# Allegro board 8880F5-0825_4.brd (continued)
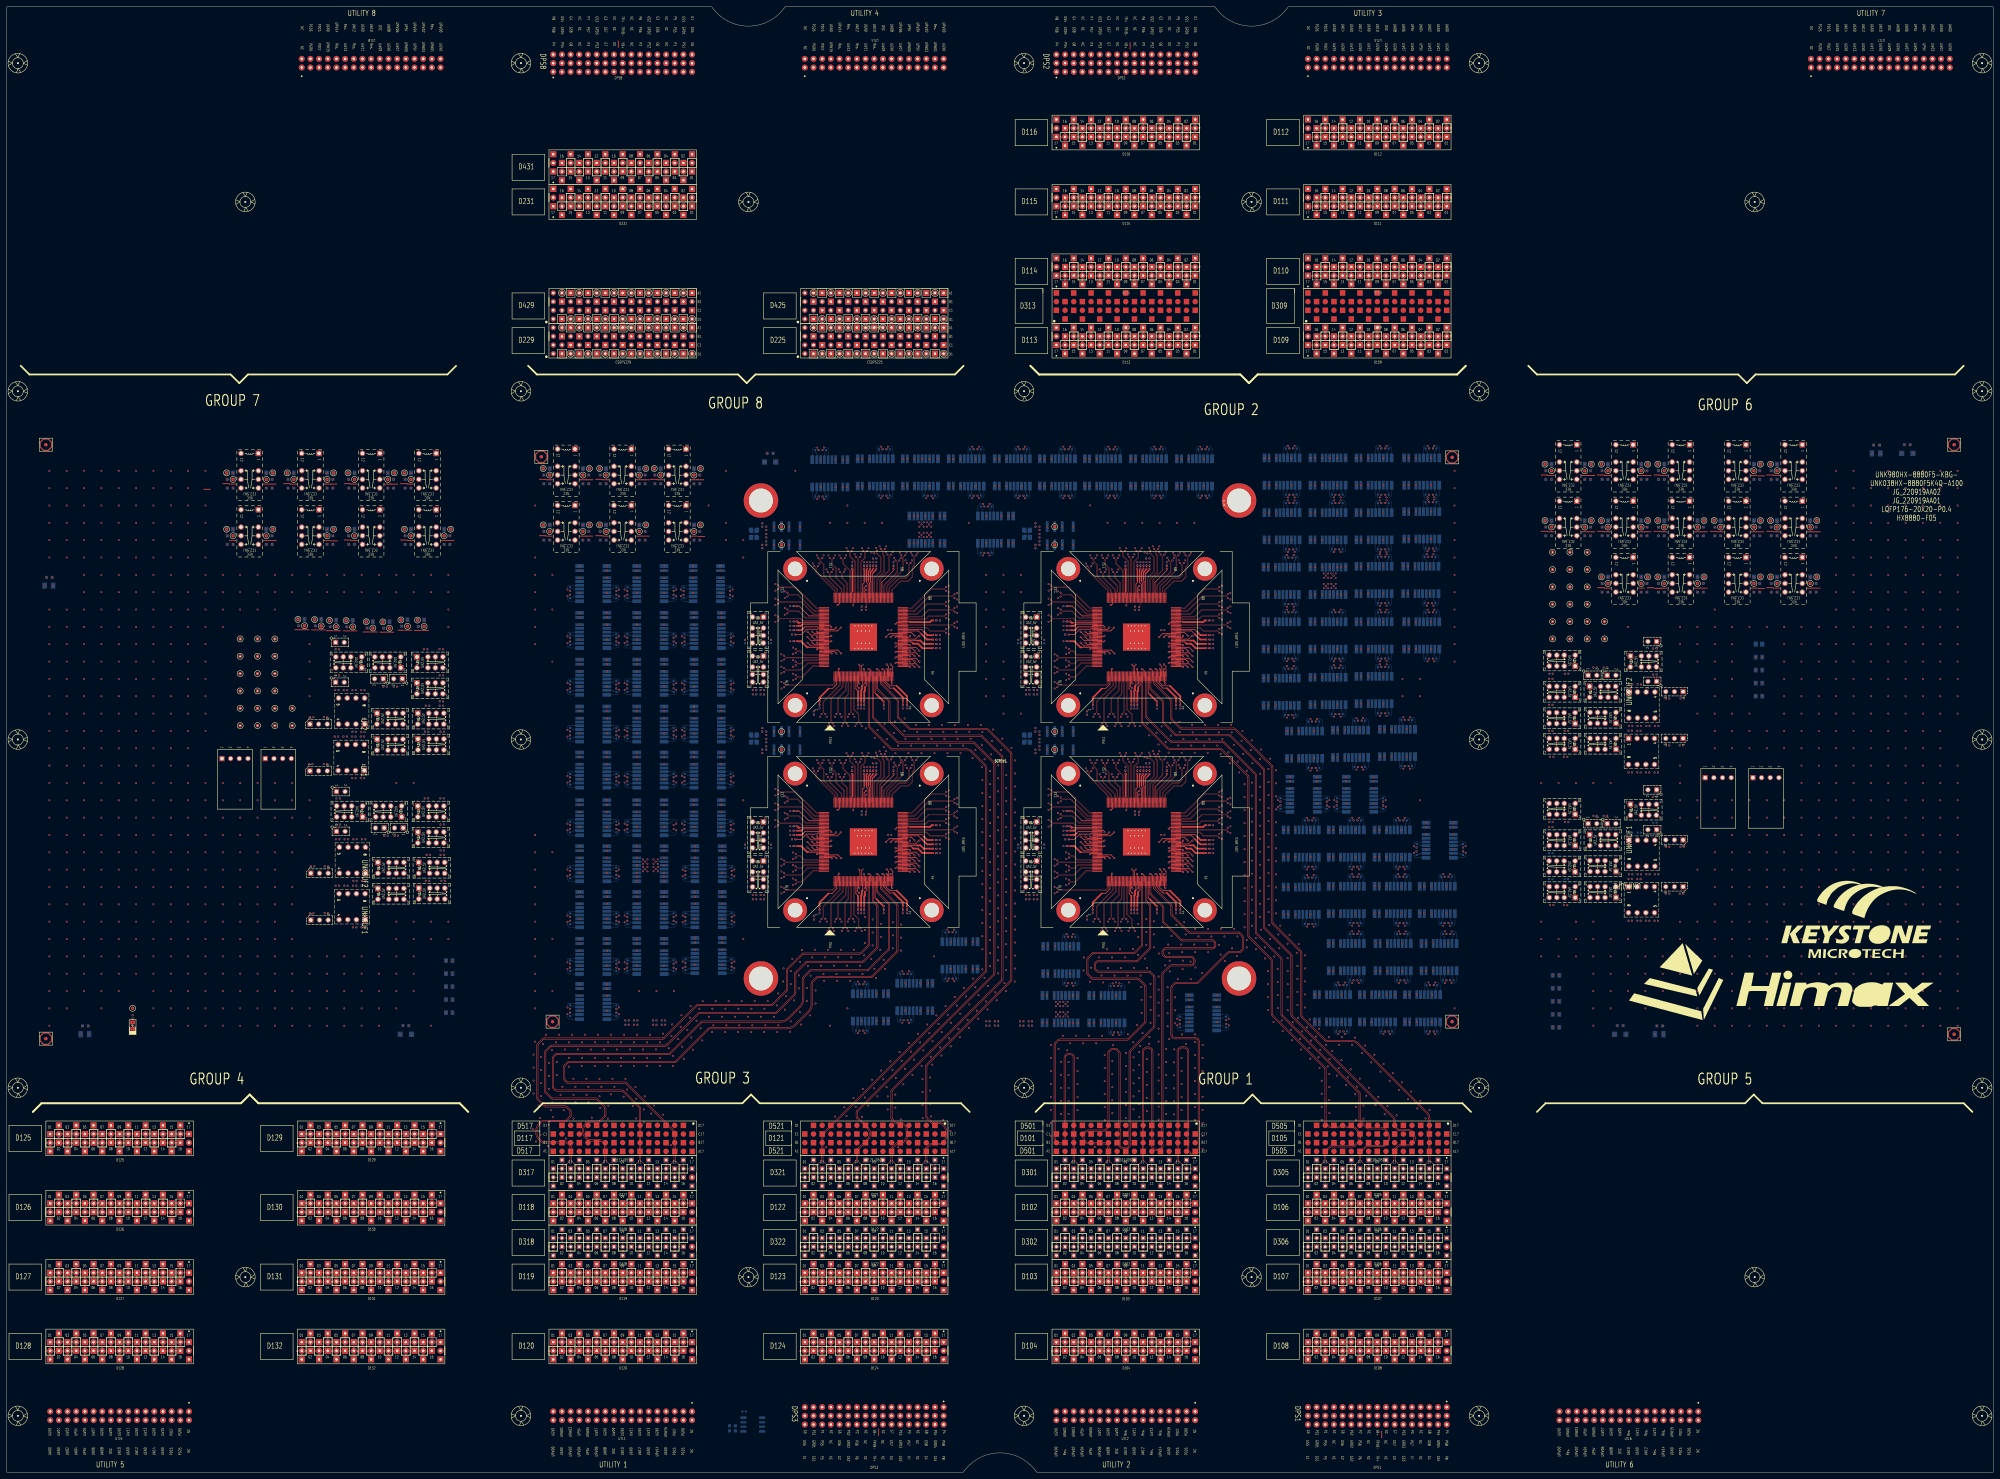
[diagram p0: board, top side]
## Routing (per net, layer and track width the routed paths; a pad name or vN(x,y) marks a point on that pad's centre or on a via; arc(x,y) is an arc through that point) (continued)
; 166.93,71.12 D318.B4 ; D318.B4 167.64,70.41 ; D318.B4 167.64,71.83 ; D318.B4 168.35,71.12 ; 199.85,381 D431.B1 ; D431.B1 201.47,381 ; D431.B1 200.66,381.81 ; D431.B1 200.66,380.19 ; D431.B10 178.61,378.46 ; D431.B10 176.99,378.46 ; D431.B10 177.8,377.65 ; D431.B10 177.8,379.27 ; 235.41,60.96 D123.B2 ; D123.B2 236.22,60.15 ; D123.B2 237.03,60.96 ; D123.B2 236.22,61.77 ; 176.99,342.9 CSDPS429.B10 ; CSDPS429.B10 177.8,342.09 ; CSDPS429.B10 178.61,342.9 ; CSDPS429.B10 177.8,343.71 ; 410.67,375.92 D111.A5 ; D111.A5 412.29,375.92 ; D111.A5 411.48,375.11 ; D111.A5 411.48,376.73 ; D110.B1 422.45,350.52 ; D110.B1 421.64,351.33 ; D110.B1 420.83,350.52 ; D110.B1 421.64,349.71 ; D108.A14 414.83,35.56 ; D108.A14 414.02,34.75 ; D108.A14 414.02,36.37 ; D108.A14 413.21,35.56 ; 381,32.21 D108.A1 ; D108.A1 381.81,33.02 ; D108.A1 380.19,33.02 ; D108.A1 381,33.83 ; D124.B3 238.76,38.91 ; D124.B3 238.76,37.29 ; D124.B3 239.57,38.1 ; D124.B3 237.95,38.1 ; 49.99,81.28 D126.B16 ; D126.B16 50.8,80.47 ; D126.B16 50.8,82.09 ; D126.B16 51.61,81.28 ; 331.93,58.42 D103.B11 ; D103.B11 333.55,58.42 ; D103.B11 332.74,59.23 ; D103.B11 332.74,57.61 ; 339.55,393.7 D116.A4 ; D116.A4 340.36,394.51 ; D116.A4 340.36,392.89 ; D116.A4 341.17,393.7 ; D301.A8 325.83,86.36 ; D301.A8 325.12,87.07 ; D301.A8 324.41,86.36 ; D301.A8 325.12,85.65 ; 160.02,370.03 D231.B17 ; D231.B17 160.83,370.84 ; D231.B17 159.21,370.84 ; D231.B17 160.02,371.65 ; 263.45,68.58 D322.B13 ; D322.B13 264.16,67.87 ; D322.B13 264.87,68.58 ; D322.B13 264.16,69.29 ; 250.23,242.35 SITE1.G14 ; SITE1.G14 249.75,242.83 ; SITE1.G14 250.23,243.31 ; SITE1.G14 250.71,242.83 ; SITE1.G3 250.81,241.33 ; SITE1.G3 249.85,241.33 ; SITE1.G3 250.33,241.81 ; SITE1.G3 250.33,240.85 ; 332.74,375.11 D115.A7 ; D115.A7 333.55,375.92 ; D115.A7 332.74,376.73 ; D115.A7 331.93,375.92 ; 110.95,58.42 D131.B11 ; D131.B11 111.76,59.23 ; D131.B11 111.76,57.61 ; D131.B11 112.57,58.42 ; D126.B12 40.64,82.09 ; D126.B12 41.45,81.28 ; D126.B12 40.64,80.47 ; D126.B12 39.83,81.28 ; 27.94,37.29 D128.B7 ; D128.B7 28.75,38.1 ; D128.B7 27.13,38.1 ; D128.B7 27.94,38.91 ; D111.B7 407.21,370.84 ; D111.B7 406.4,370.03 ; D111.B7 406.4,371.65 ; D111.B7 405.59,370.84 ; D122.B7 248.92,79.55 ; D122.B7 248.11,78.74 ; D122.B7 248.92,77.93 ; D122.B7 249.73,78.74 ; 415.85,83.82 D305.A15 ; D305.A15 416.56,84.53 ; D305.A15 416.56,83.11 ; D305.A15 417.27,83.82 ; 165.1,62.79 D318.A3 ; D318.A3 165.1,64.21 ; D318.A3 165.81,63.5 ; D318.A3 164.39,63.5 ; 334.47,55.88 D103.A12 ; D103.A12 335.28,55.07 ; D103.A12 335.28,56.69 ; D103.A12 336.09,55.88 ; 176.99,60.96 D119.B8 ; D119.B8 178.61,60.96 ; D119.B8 177.8,61.77 ; D119.B8 177.8,60.15 ; 418.29,388.62 D112.B2 ; D112.B2 419.91,388.62 ; D112.B2 419.1,389.43 ; D112.B2 419.1,387.81 ; 319.23,60.96 D103.B6 ; D103.B6 320.85,60.96 ; D103.B6 320.04,61.77 ; D103.B6 320.04,60.15 ; D113.A1 348.79,335.28 ; D113.A1 347.98,336.09 ; D113.A1 347.17,335.28 ; D113.A1 347.98,334.47 ; D231.A3 195.58,376.73 ; D231.A3 194.77,375.92 ; D231.A3 196.39,375.92 ; D231.A3 195.58,375.11 ; D109.A15 386.08,336.09 ; D109.A15 385.27,335.28 ; D109.A15 386.89,335.28 ; D109.A15 386.08,334.47 ; D110.A11 396.24,356.41 ; D110.A11 396.24,354.79 ; D110.A11 397.05,355.6 ; D110.A11 395.43,355.6 ; D116.A2 345.44,394.51 ; D116.A2 346.25,393.7 ; D116.A2 345.44,392.89 ; D116.A2 344.63,393.7 ; D305.B10 403.86,92.15 ; D305.B10 403.86,90.73 ; D305.B10 404.57,91.44 ; D305.B10 403.15,91.44 ; SITE4.G12 333.33,188.41 ; SITE4.G12 332.85,187.93 ; SITE4.G12 333.33,187.45 ; SITE4.G12 333.81,187.93 ; D128.A13 43.99,33.02 ; D128.A13 43.18,32.21 ; D128.A13 42.37,33.02 ; D128.A13 43.18,33.83 ; 85.55,99.06 D129.B1 ; D129.B1 86.36,99.87 ; D129.B1 87.17,99.06 ; D129.B1 86.36,98.25 ; D116.A9 328.47,396.24 ; D116.A9 326.85,396.24 ; D116.A9 327.66,395.43 ; D116.A9 327.66,397.05 ; 416.56,18.24 DPS1.C15 ; DPS1.C15 415.75,19.05 ; DPS1.C15 416.56,19.86 ; DPS1.C15 417.37,19.05 ; 410.77,88.9 D305.B13 ; D305.B13 411.48,88.19 ; D305.B13 412.19,88.9 ; D305.B13 411.48,89.61 ; D103.B10 331.01,60.96 ; D103.B10 330.2,61.77 ; D103.B10 329.39,60.96 ; D103.B10 330.2,60.15 ; D124.B14 267.51,40.64 ; D124.B14 266.7,41.45 ; D124.B14 266.7,39.83 ; D124.B14 265.89,40.64 ; D110.A2 419.91,353.06 ; D110.A2 419.1,352.25 ; D110.A2 419.1,353.87 ; D110.A2 418.29,353.06 ; D318.A7 175.26,64.21 ; D318.A7 175.97,63.5 ; D318.A7 175.26,62.79 ; D318.A7 174.55,63.5 ; 15.24,60.15 D127.B2 ; D127.B2 14.43,60.96 ; D127.B2 16.05,60.96 ; D127.B2 15.24,61.77 ; 344.63,60.96 D103.B16 ; D103.B16 345.44,60.15 ; D103.B16 345.44,61.77 ; D103.B16 346.25,60.96 ; 391.16,88.19 D305.B5 ; D305.B5 391.16,89.61 ; D305.B5 391.87,88.9 ; D305.B5 390.45,88.9 ; 405.69,68.58 D306.B11 ; D306.B11 407.11,68.58 ; D306.B11 406.4,67.87 ; D306.B11 406.4,69.29 ; D302.A12 335.28,66.75 ; D302.A12 335.99,66.04 ; D302.A12 335.28,65.33 ; D302.A12 334.57,66.04 ; 390.35,375.92 D111.A13 ; D111.A13 391.97,375.92 ; D111.A13 391.16,376.73 ; D111.A13 391.16,375.11 ; 22.86,57.61 D127.B5 ; D127.B5 22.86,59.23 ; D127.B5 23.67,58.42 ; D127.B5 22.05,58.42 ; D112.A16 383.54,394.51 ; D112.A16 383.54,392.89 ; D112.A16 382.73,393.7 ; D112.A16 384.35,393.7 ; 271.07,66.04 D322.A16 ; D322.A16 271.78,66.75 ; D322.A16 272.49,66.04 ; D322.A16 271.78,65.33 ; D131.A8 104.14,56.69 ; D131.A8 104.95,55.88 ; D131.A8 103.33,55.88 ; D131.A8 104.14,55.07 ; 179.53,375.92 D231.A9 ; D231.A9 180.34,376.73 ; D231.A9 181.15,375.92 ; D231.A9 180.34,375.11 ; 264.16,329.39 CSDPS225.C5 ; CSDPS225.C5 263.35,330.2 ; CSDPS225.C5 264.16,331.01 ; CSDPS225.C5 264.97,330.2 ; 421.64,329.39 D109.B1 ; D109.B1 420.83,330.2 ; D109.B1 422.45,330.2 ; D109.B1 421.64,331.01 ; D301.B8 325.83,91.44 ; D301.B8 325.12,90.73 ; D301.B8 325.12,92.15 ; D301.B8 324.41,91.44 ; D112.A3 416.56,397.05 ; D112.A3 416.56,395.43 ; D112.A3 417.37,396.24 ; D112.A3 415.75,396.24 ; D106.A8 398.78,77.01 ; D106.A8 399.59,76.2 ; D106.A8 397.97,76.2 ; D106.A8 398.78,75.39 ; D130.A10 109.22,77.01 ; D130.A10 108.41,76.2 ; D130.A10 110.03,76.2 ; D130.A10 109.22,75.39 ; D104.A3 312.42,33.83 ; D104.A3 312.42,32.21 ; D104.A3 313.23,33.02 ; D104.A3 311.61,33.02 ; D132.B1 86.36,38.91 ; D132.B1 85.55,38.1 ; D132.B1 86.36,37.29 ; D132.B1 87.17,38.1 ; 309.07,368.3 D115.B16 ; D115.B16 310.69,368.3 ; D115.B16 309.88,369.11 ; D115.B16 309.88,367.49 ; D112.B9 402.13,391.16 ; D112.B9 401.32,391.97 ; D112.B9 401.32,390.35 ; D112.B9 400.51,391.16 ; 390.35,73.66 D106.A5 ; D106.A5 391.16,72.85 ; D106.A5 391.97,73.66 ; D106.A5 391.16,74.47 ; D321.B14 267.41,91.44 ; D321.B14 266.7,90.73 ; D321.B14 266.7,92.15 ; D321.B14 265.99,91.44 ; 170.18,52.53 D119.A5 ; D119.A5 170.18,54.15 ; D119.A5 169.37,53.34 ; D119.A5 170.99,53.34 ; D109.B16 383.54,328.47 ; D109.B16 383.54,326.85 ; D109.B16 384.35,327.66 ; D109.B16 382.73,327.66 ; D306.A13 412.19,63.5 ; D306.A13 411.48,64.21 ; D306.A13 410.77,63.5 ; D306.A13 411.48,62.79 ; D321.B5 244.55,88.9 ; D321.B5 243.13,88.9 ; D321.B5 243.84,89.61 ; D321.B5 243.84,88.19 ; 401.32,349.71 D110.B9 ; D110.B9 401.32,351.33 ; D110.B9 402.13,350.52 ; D110.B9 400.51,350.52 ; 232.87,38.1 D124.B1 ; D124.B1 233.68,37.29 ; D124.B1 234.49,38.1 ; D124.B1 233.68,38.91 ; D125.B4 20.32,102.41 ; D125.B4 21.13,101.6 ; D125.B4 20.32,100.79 ; D125.B4 19.51,101.6 ; D128.B5 23.67,38.1 ; D128.B5 22.86,38.91 ; D128.B5 22.86,37.29 ; D128.B5 22.05,38.1 ; DPS1.A11 406.4,14.78 ; DPS1.A11 407.21,13.97 ; DPS1.A11 405.59,13.97 ; DPS1.A11 406.4,13.16 ; 197.31,35.56 D120.A16 ; D120.A16 198.12,36.37 ; D120.A16 198.93,35.56 ; D120.A16 198.12,34.75 ; 182.88,372.57 D231.A8 ; D231.A8 182.88,374.19 ; D231.A8 182.07,373.38 ; D231.A8 183.69,373.38 ; D108.B6 393.7,41.45 ; D108.B6 394.51,40.64 ; D108.B6 392.89,40.64 ; D108.B6 393.7,39.83 ; 106.68,93.17 D129.A9 ; D129.A9 105.87,93.98 ; D129.A9 106.68,94.79 ; D129.A9 107.49,93.98 ; 179.53,340.36 CSDPS429.C9 ; CSDPS429.C9 180.34,339.55 ; CSDPS429.C9 181.15,340.36 ; CSDPS429.C9 180.34,341.17 ; 395.53,68.58 D306.B7 ; D306.B7 396.95,68.58 ; D306.B7 396.24,67.87 ; D306.B7 396.24,69.29 ; D302.B10 330.2,71.83 ; D302.B10 329.49,71.12 ; D302.B10 330.91,71.12 ; D302.B10 330.2,70.41 ; D125.B14 45.72,102.41 ; D125.B14 46.53,101.6 ; D125.B14 45.72,100.79 ; D125.B14 44.91,101.6 ; 326.85,38.1 D104.B9 ; D104.B9 328.47,38.1 ; D104.B9 327.66,38.91 ; D104.B9 327.66,37.29 ; S4_I2C.4 518.92,204.39 ; S4_I2C.4 518.92,202.51 ; S4_I2C.4 519.86,203.45 ; S4_I2C.4 517.98,203.45 ; 237.95,73.66 D122.A3 ; D122.A3 238.76,72.85 ; D122.A3 239.57,73.66 ; D122.A3 238.76,74.47 ; 15.24,39.83 D128.B2 ; D128.B2 15.24,41.45 ; D128.B2 14.43,40.64 ; D128.B2 16.05,40.64 ; D128.B4 21.13,40.64 ; D128.B4 20.32,41.45 ; D128.B4 19.51,40.64 ; D128.B4 20.32,39.83 ; D322.B9 254.71,68.58 ; D322.B9 254,69.29 ; D322.B9 254,67.87 ; D322.B9 253.29,68.58 ; 187.15,76.2 D118.A12 ; D118.A12 187.96,75.39 ; D118.A12 188.77,76.2 ; D118.A12 187.96,77.01 ; D112.A10 398.78,394.51 ; D112.A10 397.97,393.7 ; D112.A10 399.59,393.7 ; D112.A10 398.78,392.89 ; 27.94,98.25 D125.B7 ; D125.B7 28.75,99.06 ; D125.B7 27.13,99.06 ; D125.B7 27.94,99.87 ; D231.A17 160.02,376.73 ; D231.A17 160.02,375.11 ; D231.A17 160.83,375.92 ; D231.A17 159.21,375.92 ; D306.B8 399.49,71.12 ; D306.B8 398.78,70.41 ; D306.B8 398.78,71.83 ; D306.B8 398.07,71.12 ; D111.B3 416.56,371.65 ; D111.B3 417.37,370.84 ; D111.B3 416.56,370.03 ; D111.B3 415.75,370.84 ; 340.36,34.75 D104.A14 ; D104.A14 341.17,35.56 ; D104.A14 339.55,35.56 ; D104.A14 340.36,36.37 ; 418.29,40.64 D108.B16 ; D108.B16 419.1,41.45 ; D108.B16 419.1,39.83 ; D108.B16 419.91,40.64 ; 105.87,58.42 D131.B9 ; D131.B9 106.68,57.61 ; D131.B9 106.68,59.23 ; D131.B9 107.49,58.42 ; D118.A5 170.18,74.47 ; D118.A5 170.99,73.66 ; D118.A5 170.18,72.85 ; D118.A5 169.37,73.66 ; CSDPS425.C7 259.89,340.36 ; CSDPS425.C7 258.27,340.36 ; CSDPS425.C7 259.08,341.17 ; CSDPS425.C7 259.08,339.55 ; D103.B7 323.39,58.42 ; D103.B7 321.77,58.42 ; D103.B7 322.58,57.61 ; D103.B7 322.58,59.23 ; 273.51,340.36 CSDPS425.C1 ; CSDPS425.C1 274.32,341.17 ; CSDPS425.C1 275.13,340.36 ; CSDPS425.C1 274.32,339.55 ; 397.97,347.98 D110.B10 ; D110.B10 398.78,347.17 ; D110.B10 399.59,347.98 ; D110.B10 398.78,348.79 ; 306.63,63.5 D302.A1 ; D302.A1 307.34,64.21 ; D302.A1 307.34,62.79 ; D302.A1 308.05,63.5 ; 174.45,33.02 D120.A7 ; D120.A7 175.26,32.21 ; D120.A7 176.07,33.02 ; D120.A7 175.26,33.83 ; D302.A14 341.07,66.04 ; D302.A14 339.65,66.04 ; D302.A14 340.36,66.75 ; D302.A14 340.36,65.33 ; 193.04,39.83 D120.B14 ; D120.B14 192.23,40.64 ; D120.B14 193.04,41.45 ; D120.B14 193.85,40.64 ; 233.68,83.11 D321.A1 ; D321.A1 233.68,84.53 ; D321.A1 234.39,83.82 ; D321.A1 232.97,83.82 ; D104.B14 340.36,41.45 ; D104.B14 341.17,40.64 ; D104.B14 339.55,40.64 ; D104.B14 340.36,39.83 ; 14.43,76.2 D126.A2 ; D126.A2 16.05,76.2 ; D126.A2 15.24,77.01 ; D126.A2 15.24,75.39 ; D102.B10 330.2,82.09 ; D102.B10 329.39,81.28 ; D102.B10 330.2,80.47 ; D102.B10 331.01,81.28 ; 193.04,55.07 D119.A14 ; D119.A14 193.04,56.69 ; D119.A14 193.85,55.88 ; D119.A14 192.23,55.88 ; 340.36,367.49 D115.B4 ; D115.B4 340.36,369.11 ; D115.B4 339.55,368.3 ; D115.B4 341.17,368.3 ; 19.51,60.96 D127.B4 ; D127.B4 20.32,60.15 ; D127.B4 21.13,60.96 ; D127.B4 20.32,61.77 ; D129.A2 88.9,97.33 ; D129.A2 88.09,96.52 ; D129.A2 89.71,96.52 ; D129.A2 88.9,95.71 ; D131.A7 101.6,54.15 ; D131.A7 102.41,53.34 ; D131.A7 100.79,53.34 ; D131.A7 101.6,52.53 ; 22.05,33.02 D128.A5 ; D128.A5 22.86,32.21 ; D128.A5 23.67,33.02 ; D128.A5 22.86,33.83 ; D322.A4 241.3,66.75 ; D322.A4 242.01,66.04 ; D322.A4 240.59,66.04 ; D322.A4 241.3,65.33 ; D113.B13 317.5,331.01 ; D113.B13 316.69,330.2 ; D113.B13 317.5,329.39 ; D113.B13 318.31,330.2 ; 16.97,58.42 D127.B3 ; D127.B3 18.59,58.42 ; D127.B3 17.78,59.23 ; D127.B3 17.78,57.61 ; 386.08,37.29 D108.B3 ; D108.B3 385.27,38.1 ; D108.B3 386.08,38.91 ; D108.B3 386.89,38.1 ; D111.B1 422.45,370.84 ; D111.B1 421.64,371.65 ; D111.B1 420.83,370.84 ; D111.B1 421.64,370.03 ; D112.A8 404.67,393.7 ; D112.A8 403.05,393.7 ; D112.A8 403.86,392.89 ; D112.A8 403.86,394.51 ; 187.96,80.47 D118.B12 ; D118.B12 187.15,81.28 ; D118.B12 187.96,82.09 ; D118.B12 188.77,81.28 ; 391.16,52.53 D107.A5 ; D107.A5 390.35,53.34 ; D107.A5 391.97,53.34 ; D107.A5 391.16,54.15 ; CSDPS425.B6 261.62,343.71 ; CSDPS425.B6 261.62,342.09 ; CSDPS425.B6 262.43,342.9 ; CSDPS425.B6 260.81,342.9 ; D132.A14 119.38,36.37 ; D132.A14 120.19,35.56 ; D132.A14 118.57,35.56 ; D132.A14 119.38,34.75 ; 324.31,60.96 D103.B8 ; D103.B8 325.12,61.77 ; D103.B8 325.12,60.15 ; D103.B8 325.93,60.96 ; CSDPS229.B10 178.61,332.74 ; CSDPS229.B10 177.8,333.55 ; CSDPS229.B10 177.8,331.93 ; CSDPS229.B10 176.99,332.74 ; 187.15,332.74 CSDPS229.B6 ; CSDPS229.B6 187.96,331.93 ; CSDPS229.B6 187.96,333.55 ; CSDPS229.B6 188.77,332.74 ; 385.27,73.66 D106.A3 ; D106.A3 386.89,73.66 ; D106.A3 386.08,74.47 ; D106.A3 386.08,72.85 ; D127.A9 33.83,53.34 ; D127.A9 33.02,54.15 ; D127.A9 32.21,53.34 ; D127.A9 33.02,52.53 ; 416.56,62.79 D306.A15 ; D306.A15 415.85,63.5 ; D306.A15 417.27,63.5 ; D306.A15 416.56,64.21 ; D305.A1 381,84.53 ; D305.A1 381.71,83.82 ; D305.A1 380.29,83.82 ; D305.A1 381,83.11 ; 403.05,40.64 D108.B10 ; D108.B10 403.86,39.83 ; D108.B10 403.86,41.45 ; D108.B10 404.67,40.64 ; D109.A10 398.78,333.55 ; D109.A10 398.78,331.93 ; D109.A10 399.59,332.74 ; D109.A10 397.97,332.74 ; D116.A11 322.58,397.05 ; D116.A11 321.77,396.24 ; D116.A11 322.58,395.43 ; D116.A11 323.39,396.24 ; 253.19,73.66 D122.A9 ; D122.A9 254,72.85 ; D122.A9 254.81,73.66 ; D122.A9 254,74.47 ; D130.A11 111.76,74.47 ; D130.A11 112.57,73.66 ; D130.A11 110.95,73.66 ; D130.A11 111.76,72.85 ; D109.A8 404.67,332.74 ; D109.A8 403.86,333.55 ; D109.A8 403.05,332.74 ; D109.A8 403.86,331.93 ; 198.12,65.33 D318.A16 ; D318.A16 198.12,66.75 ; D318.A16 197.41,66.04 ; D318.A16 198.83,66.04 ; 269.24,88.19 D321.B15 ; D321.B15 269.95,88.9 ; D321.B15 268.53,88.9 ; D321.B15 269.24,89.61 ; D305.A5 391.16,84.53 ; D305.A5 390.45,83.82 ; D305.A5 391.87,83.82 ; D305.A5 391.16,83.11 ; 261.62,60.15 D123.B12 ; D123.B12 260.81,60.96 ; D123.B12 261.62,61.77 ; D123.B12 262.43,60.96 ; D431.B12 172.72,379.27 ; D431.B12 173.53,378.46 ; D431.B12 171.91,378.46 ; D431.B12 172.72,377.65 ; 237.95,33.02 D124.A3 ; D124.A3 239.57,33.02 ; D124.A3 238.76,33.83 ; D124.A3 238.76,32.21 ; 252.85,247.93 SITE1.G12 ; SITE1.G12 253.33,247.45 ; SITE1.G12 253.33,248.41 ; SITE1.G12 253.81,247.93 ; 337.82,32.21 D104.A13 ; D104.A13 337.82,33.83 ; D104.A13 338.63,33.02 ; D104.A13 337.01,33.02 ; 324.31,35.56 D104.A8 ; D104.A8 325.12,34.75 ; D104.A8 325.93,35.56 ; D104.A8 325.12,36.37 ; D131.A4 94.79,55.88 ; D131.A4 93.17,55.88 ; D131.A4 93.98,55.07 ; D131.A4 93.98,56.69 ; UNK3U1.4 97.29,162.79 ; UNK3U1.4 97.29,160.91 ; UNK3U1.4 96.35,161.85 ; UNK3U1.4 98.23,161.85 ; 380.19,19.05 DPS1.C01 ; DPS1.C01 381.81,19.05 ; DPS1.C01 381,18.24 ; DPS1.C01 381,19.86 ; 164.29,58.42 D119.B3 ; D119.B3 165.1,59.23 ; D119.B3 165.1,57.61 ; D119.B3 165.91,58.42 ; 330.2,331.93 D113.A8 ; D113.A8 331.01,332.74 ; D113.A8 329.39,332.74 ; D113.A8 330.2,333.55 ; D322.A15 269.24,64.21 ; D322.A15 268.53,63.5 ; D322.A15 269.24,62.79 ; D322.A15 269.95,63.5 ; D123.A8 252.27,55.88 ; D123.A8 251.46,55.07 ; D123.A8 250.65,55.88 ; D123.A8 251.46,56.69 ; D109.B11 396.24,331.01 ; D109.B11 397.05,330.2 ; D109.B11 396.24,329.39 ; D109.B11 395.43,330.2 ; D132.A7 101.6,33.83 ; D132.A7 102.41,33.02 ; D132.A7 100.79,33.02 ; D132.A7 101.6,32.21 ; 390.35,350.52 D110.B13 ; D110.B13 391.16,349.71 ; D110.B13 391.16,351.33 ; D110.B13 391.97,350.52 ; D102.A14 340.36,77.01 ; D102.A14 339.55,76.2 ; D102.A14 341.17,76.2 ; D102.A14 340.36,75.39 ; 340.36,347.17 D114.B4 ; D114.B4 340.36,348.79 ; D114.B4 339.55,347.98 ; D114.B4 341.17,347.98 ; D301.B11 332.74,89.61 ; D301.B11 332.03,88.9 ; D301.B11 332.74,88.19 ; D301.B11 333.45,88.9 ; 255.73,35.56 D124.A10 ; D124.A10 257.35,35.56 ; D124.A10 256.54,36.37 ; D124.A10 256.54,34.75 ; SITE1.G15 251.43,243.31 ; SITE1.G15 251.43,242.35 ; SITE1.G15 251.91,242.83 ; SITE1.G15 250.95,242.83 ; 189.69,386.08 D431.A5 ; D431.A5 190.5,385.27 ; D431.A5 191.31,386.08 ; D431.A5 190.5,386.89 ; 314.96,352.25 D114.A14 ; D114.A14 314.15,353.06 ; D114.A14 315.77,353.06 ; D114.A14 314.96,353.87 ; D102.B9 327.66,79.55 ; D102.B9 327.66,77.93 ; D102.B9 326.85,78.74 ; D102.B9 328.47,78.74 ; SITE2.G14 330.71,242.83 ; SITE2.G14 330.23,242.35 ; SITE2.G14 330.23,243.31 ; SITE2.G14 329.75,242.83 ; SITE1.G2 249.33,241.81 ; SITE1.G2 249.33,240.85 ; SITE1.G2 249.81,241.33 ; SITE1.G2 248.85,241.33 ; D104.B3 312.42,38.91 ; D104.B3 311.61,38.1 ; D104.B3 313.23,38.1 ; D104.B3 312.42,37.29 ; 387.81,327.66 D109.B14 ; D109.B14 388.62,328.47 ; D109.B14 389.43,327.66 ; D109.B14 388.62,326.85 ; D127.A14 45.72,56.69 ; D127.A14 44.91,55.88 ; D127.A14 45.72,55.07 ; D127.A14 46.53,55.88 ; 189.69,38.1 D120.B13 ; D120.B13 190.5,38.91 ; D120.B13 190.5,37.29 ; D120.B13 191.31,38.1 ; 189.69,375.92 D231.A5 ; D231.A5 190.5,376.73 ; D231.A5 190.5,375.11 ; D231.A5 191.31,375.92 ; 198.12,85.65 D317.A16 ; D317.A16 198.83,86.36 ; D317.A16 197.41,86.36 ; D317.A16 198.12,87.07 ; 319.23,353.06 D114.A12 ; D114.A12 320.85,353.06 ; D114.A12 320.04,352.25 ; D114.A12 320.04,353.87 ; 251.46,65.33 D322.A8 ; D322.A8 252.17,66.04 ; D322.A8 251.46,66.75 ; D322.A8 250.75,66.04 ; 103.33,96.52 D129.A8 ; D129.A8 104.14,95.71 ; D129.A8 104.95,96.52 ; D129.A8 104.14,97.33 ; 256.54,60.15 D123.B10 ; D123.B10 257.35,60.96 ; D123.B10 255.73,60.96 ; D123.B10 256.54,61.77 ; D431.B13 170.18,381.81 ; D431.B13 170.99,381 ; D431.B13 169.37,381 ; D431.B13 170.18,380.19 ; D124.B10 257.35,40.64 ; D124.B10 255.73,40.64 ; D124.B10 256.54,41.45 ; D124.B10 256.54,39.83 ; 197.31,378.46 D431.B2 ; D431.B2 198.12,377.65 ; D431.B2 198.12,379.27 ; D431.B2 198.93,378.46 ; 309.88,75.39 D102.A2 ; D102.A2 310.69,76.2 ; D102.A2 309.07,76.2 ; D102.A2 309.88,77.01 ; 174.55,83.82 D317.A7 ; D317.A7 175.97,83.82 ; D317.A7 175.26,84.53 ; D317.A7 175.26,83.11 ; D122.B15 269.24,79.55 ; D122.B15 270.05,78.74 ; D122.B15 268.43,78.74 ; D122.B15 269.24,77.93 ; D111.B2 419.1,369.11 ; D111.B2 419.1,367.49 ; D111.B2 419.91,368.3 ; D111.B2 418.29,368.3 ; 169.37,78.74 D118.B5 ; D118.B5 170.99,78.74 ; D118.B5 170.18,77.93 ; D118.B5 170.18,79.55 ; SITE4.G10 331.81,187.93 ; SITE4.G10 331.33,188.41 ; SITE4.G10 330.85,187.93 ; SITE4.G10 331.33,187.45 ; D127.B15 48.26,59.23 ; D127.B15 47.45,58.42 ; D127.B15 48.26,57.61 ; D127.B15 49.07,58.42 ; SITE4.G8 329.33,188.41 ; SITE4.G8 329.81,187.93 ; SITE4.G8 328.85,187.93 ; SITE4.G8 329.33,187.45 ; D131.A16 125.27,55.88 ; D131.A16 124.46,56.69 ; D131.A16 123.65,55.88 ; D131.A16 124.46,55.07 ; D321.B2 236.93,91.44 ; D321.B2 236.22,92.15 ; D321.B2 236.22,90.73 ; D321.B2 235.51,91.44 ; D302.B2 310.59,71.12 ; D302.B2 309.88,71.83 ; D302.B2 309.88,70.41 ; D302.B2 309.17,71.12 ; 403.86,70.41 D306.B10 ; D306.B10 403.86,71.83 ; D306.B10 403.15,71.12 ; D306.B10 404.57,71.12 ; D124.A4 241.3,36.37 ; D124.A4 242.11,35.56 ; D124.A4 241.3,34.75 ; D124.A4 240.49,35.56 ; D112.B5 411.48,391.97 ; D112.B5 412.29,391.16 ; D112.B5 410.67,391.16 ; D112.B5 411.48,390.35 ; 335.28,392.89 D116.A6 ; D116.A6 335.28,394.51 ; D116.A6 334.47,393.7 ; D116.A6 336.09,393.7 ; DPS8.C11 175.26,411.02 ; DPS8.C11 174.45,410.21 ; DPS8.C11 176.07,410.21 ; DPS8.C11 175.26,409.4 ; D114.B1 348.79,350.52 ; D114.B1 347.98,351.33 ; D114.B1 347.17,350.52 ; D114.B1 347.98,349.71 ; 332.03,68.58 D302.B11 ; D302.B11 332.74,69.29 ; D302.B11 333.45,68.58 ; D302.B11 332.74,67.87 ; 337.01,73.66 D102.A13 ; D102.A13 337.82,72.85 ; D102.A13 337.82,74.47 ; D102.A13 338.63,73.66 ; D112.A9 402.13,396.24 ; D112.A9 401.32,397.05 ; D112.A9 401.32,395.43 ; D112.A9 400.51,396.24 ; SITE4.G3 330.33,181.81 ; SITE4.G3 330.81,181.33 ; SITE4.G3 330.33,180.85 ; SITE4.G3 329.85,181.33 ; 246.38,60.15 D123.B6 ; D123.B6 247.19,60.96 ; D123.B6 246.38,61.77 ; D123.B6 245.57,60.96 ; D122.B12 261.62,82.09 ; D122.B12 260.81,81.28 ; D122.B12 261.62,80.47 ; D122.B12 262.43,81.28 ; 118.57,60.96 D131.B14 ; D131.B14 120.19,60.96 ; D131.B14 119.38,60.15 ; D131.B14 119.38,61.77 ; D113.A6 335.28,333.55 ; D113.A6 335.28,331.93 ; D113.A6 336.09,332.74 ; D113.A6 334.47,332.74 ; CSDPS425.B16 236.22,343.71 ; CSDPS425.B16 235.41,342.9 ; CSDPS425.B16 236.22,342.09 ; CSDPS425.B16 237.03,342.9 ; D110.B6 